# KiCad board Dumpling_Main.kicad_pcb
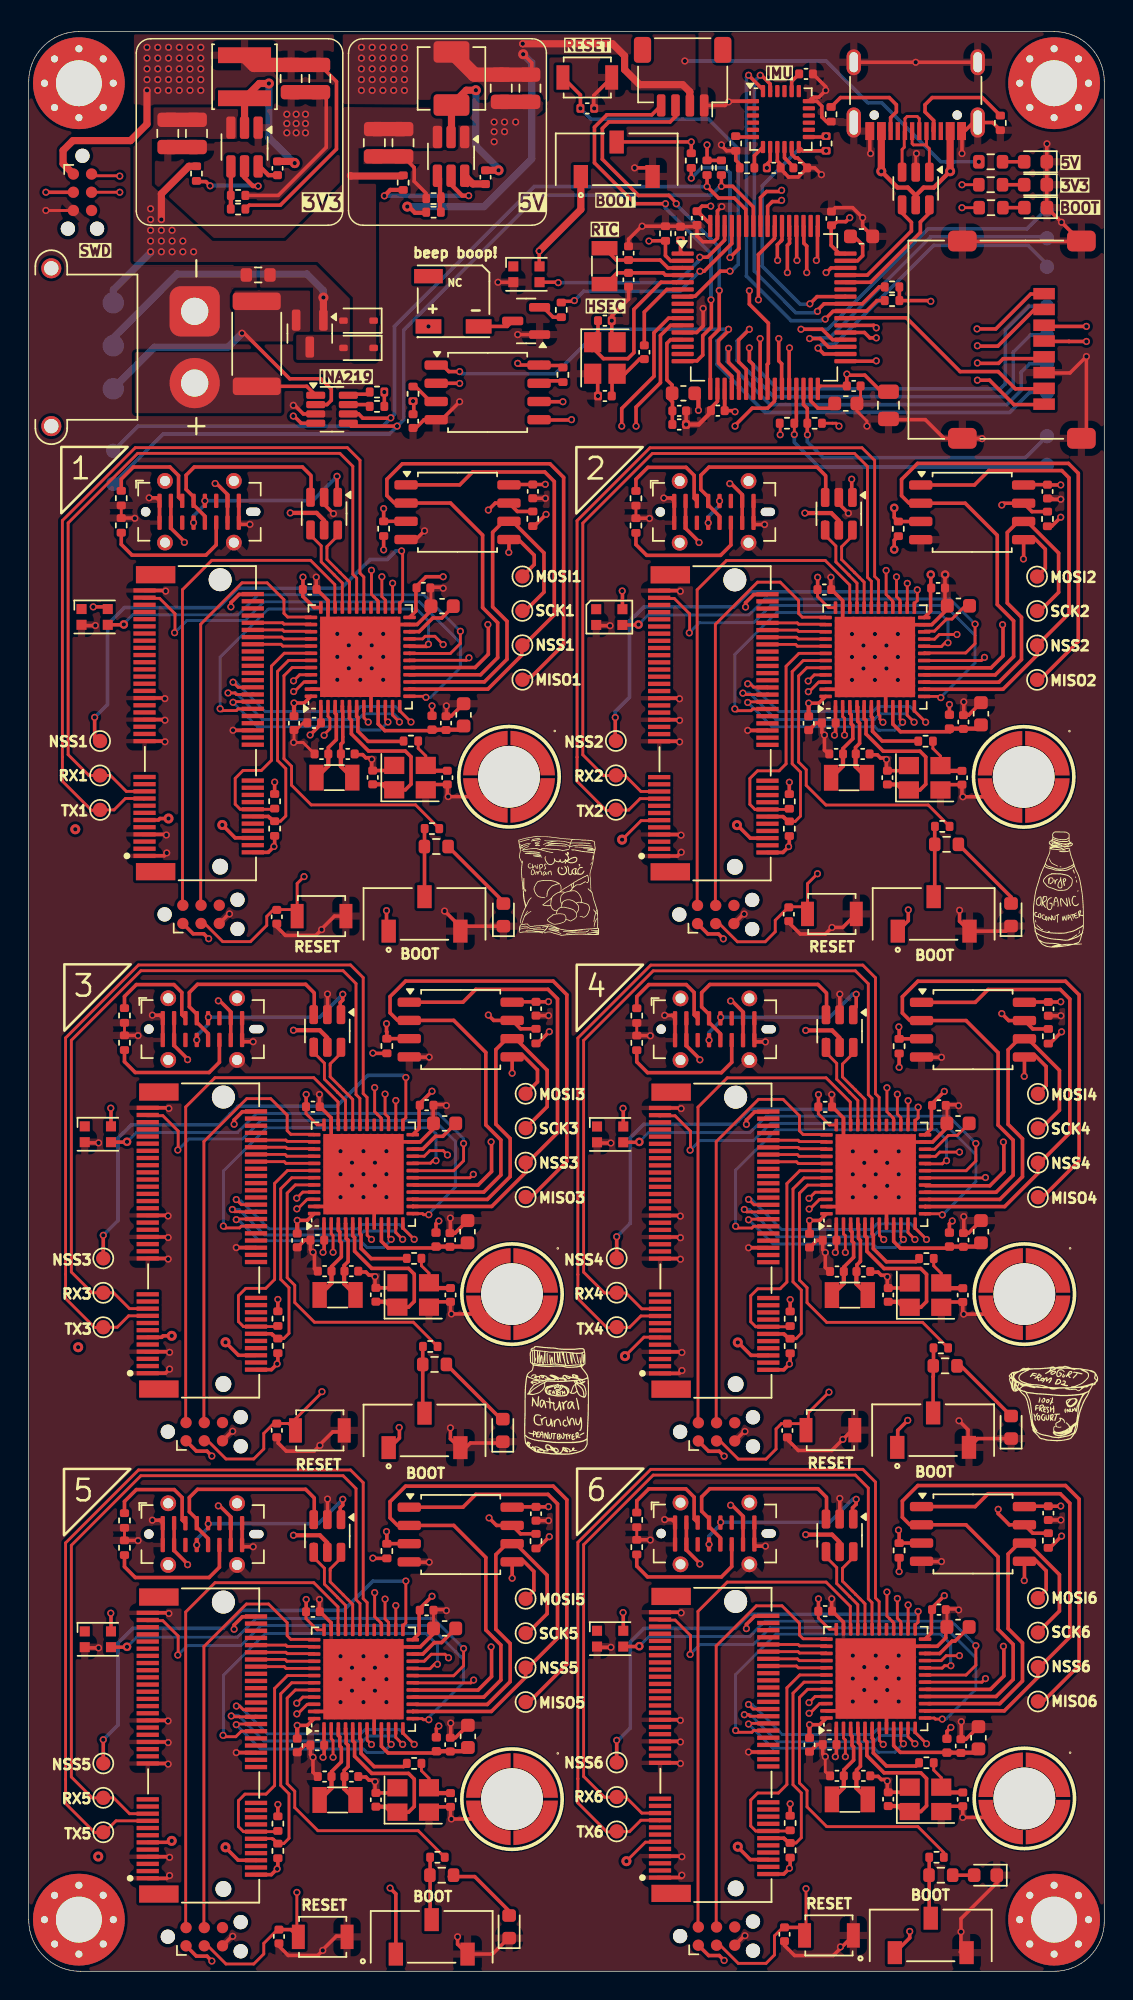
[diagram p0: board, top side]
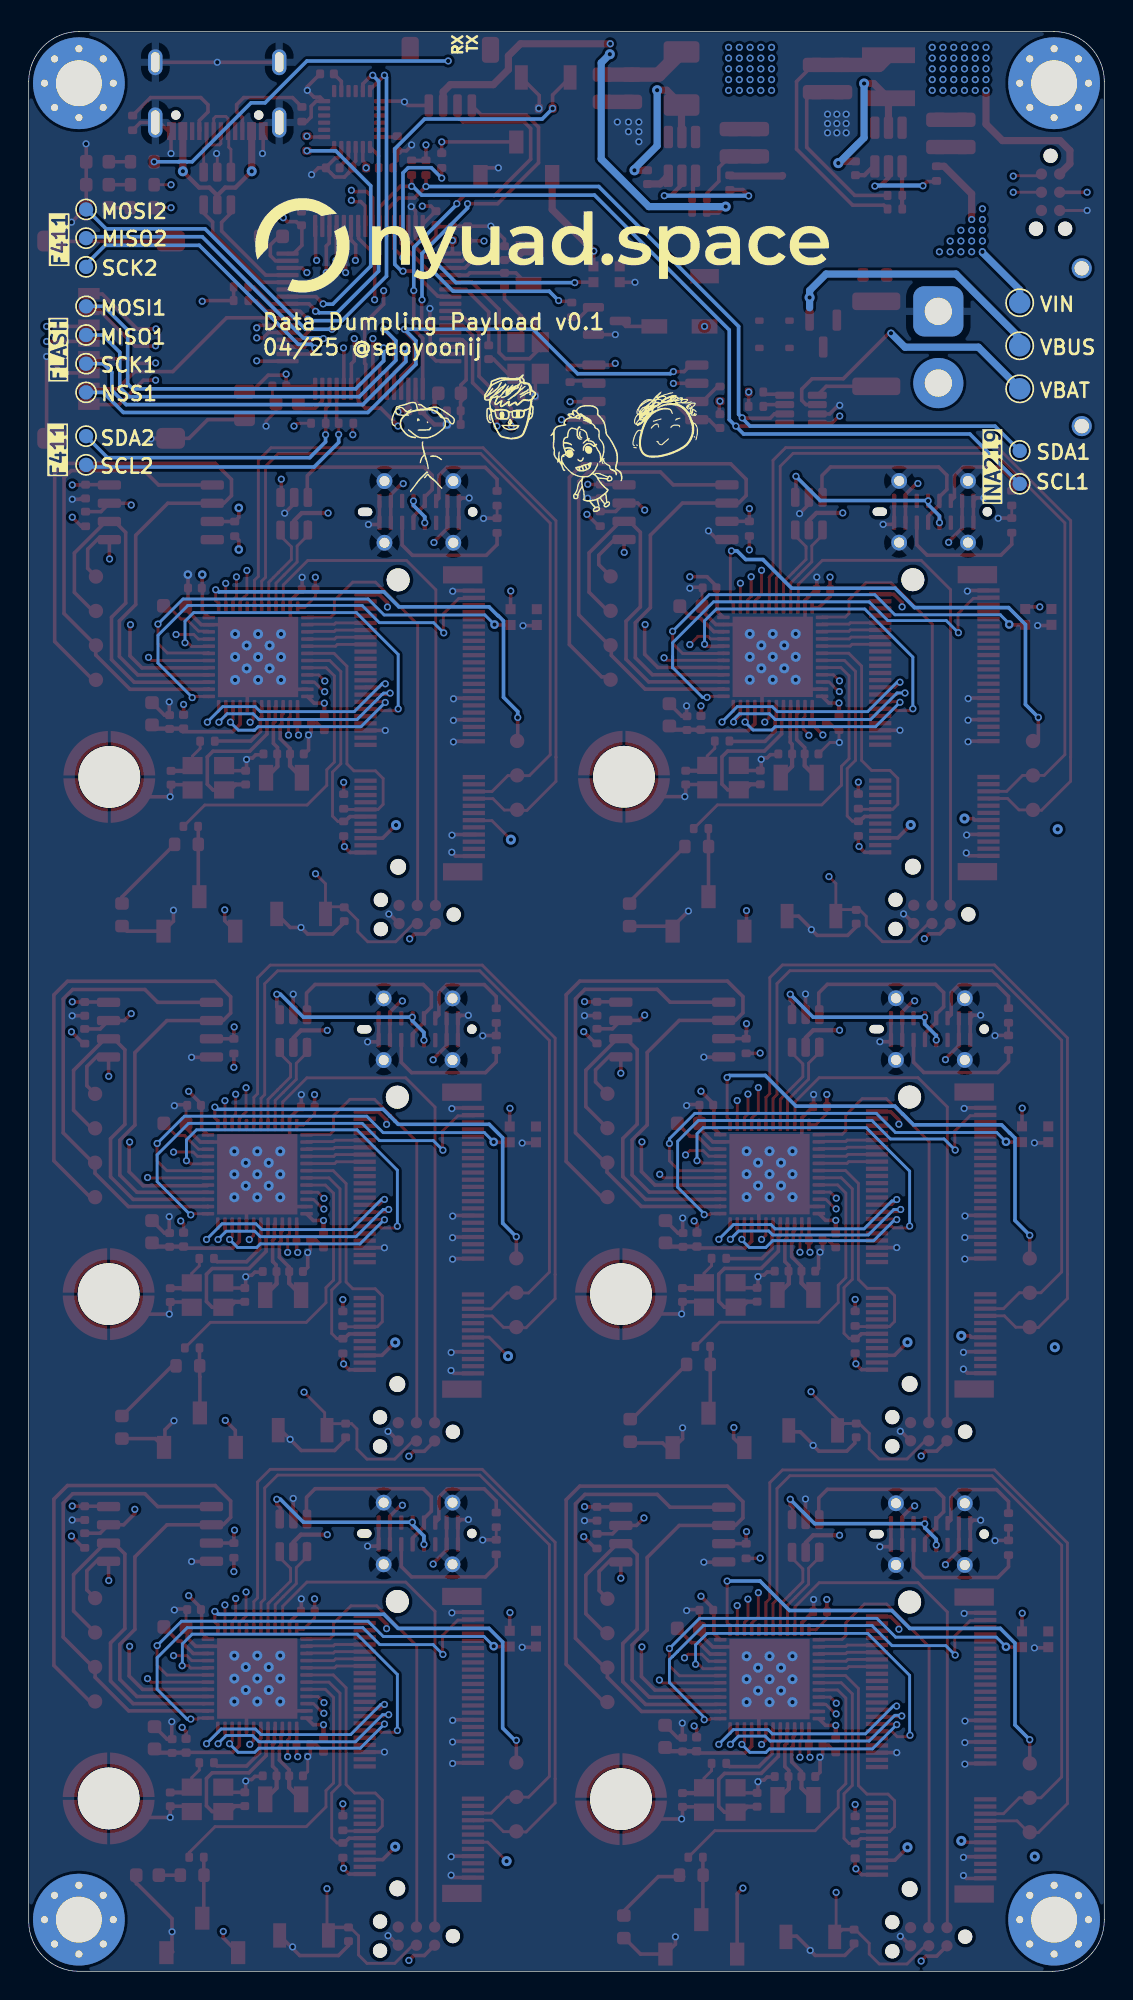
[diagram p1: board, bottom side, seen from below]

Outline 75 x 135.2 mm; copper layers: Top, In1.Cu, In2.Cu, In3.Cu, In4.Cu, Bottom. Coordinates in mm from the lower left corner of the outline.
Outline path: 0,131.7 arc(1.03,134.17) 3.5,135.2 71.5,135.2 arc(73.97,134.17) 75,131.7 75,3.5 arc(73.97,1.03) 71.5,0 3.6,0 arc(1.05,1.05) 0,3.6 0,131.7
Stack: Top 0.035mm / dielectric 0.1mm FR4 er 4.5 / In1.Cu 0.035mm / dielectric 0.535mm FR4 er 4.5 / In2.Cu 0.035mm / dielectric 0.1mm FR4 er 4.5 / In3.Cu 0.035mm / dielectric 0.535mm FR4 er 4.5 / In4.Cu 0.035mm / dielectric 0.1mm FR4 er 4.5 / Bottom 0.035mm

## Placement (name value [footprint] x y rotation side)
BZ1  Buzzer  [BUZ-SMD_FST-5030]  29.62 116.4 0 top
C1  100n  [C_0402_1005Metric]  38.95 129.84 0 top
C2  10u  [C_0805_2012Metric]  59.95 109.15 270 top
C3  15p  [C_0402_1005Metric]  41.82 119.75 90 top
C4  15p  [C_0402_1005Metric]  41.82 117.9 270 top
C5  100n  [C_0402_1005Metric]  45.36 108.76 0 top
C6  1u  [C_0402_1005Metric]  45.36 107.81 0 top
C7  100n  [C_0402_1005Metric]  57.53 110.5 0 top
C8  100n  [C_0402_1005Metric]  45.45 121.12 90 top
C9  100n  [C_0402_1005Metric]  46.6 122.2 270 top
C10  100n  [C_0402_1005Metric]  55.97 122.17 90 top
C11  10p  [C_0402_1005Metric]  40.18 115.05 0 top
C12  10p  [C_0402_1005Metric]  40.18 109.8 180 top
C13  100n  [C_0402_1005Metric]  18.5 87 270 top
C14  100n  [C_0402_1005Metric]  17.3 73.5 270 top
C15  2.2u  [C_0603_1608Metric]  64.82 95.17 180 top
C16  10p  [C_0402_1005Metric]  59.87 83.2 90 top
C17  15p  [C_0402_1005Metric]  56.3 84.85 180 top
C18  15p  [C_0402_1005Metric]  58.15 84.85 0 top
C19  100n  [C_0402_1005Metric]  19.9 87.02 180 top
C20  100n  [C_0402_1005Metric]  19.59 96.32 0 top
C21  1u  [C_0603_1608Metric]  30.33 87.57 90 top
C22  100n  [C_0402_1005Metric]  27.53 96.42 0 top
C23  15p  [C_0402_1005Metric]  20.41 84.85 180 top
C24  100n  [C_0402_1005Metric]  29.1 87 90 top
C25  15p  [C_0402_1005Metric]  22.25 84.85 0 top
C26  2.2u  [C_0603_1608Metric]  28.83 95.15 180 top
C27  10p  [C_0402_1005Metric]  23.99 83.21 90 top
C28  100n  [C_0402_1005Metric]  26.8 108.05 270 top
C29  100n  [C_0402_1005Metric]  35.15 103.15 270 top
C30  10p  [C_0402_1005Metric]  29.19 83.2 270 top
C31  10u  [C_0805_2012Metric]  9.7 128.1 270 top
C32  10u  [C_0805_2012Metric]  11.7 128.1 270 top
C33  100n  [C_0402_1005Metric]  17.35 125.67 90 top
C34  22u  [C_0805_2012Metric]  18.3 131.93 270 top
C35  2.2u  [C_0603_1608Metric]  56.97 109.27 0 top
C36  2.2u  [C_0603_1608Metric]  58.07 120.92 0 top
C37  100n  [C_0402_1005Metric]  48.05 108.77 180 top
C38  22u  [C_0805_2012Metric]  20.3 131.93 270 top
C39  10u  [C_0805_2012Metric]  26.1 127.45 270 top
C40  10u  [C_0805_2012Metric]  24.1 127.45 270 top
C41  100n  [C_0402_1005Metric]  31.85 125.05 90 top
C42  22u  [C_0805_2012Metric]  32.95 131.25 270 top
C43  22u  [C_0805_2012Metric]  34.95 131.25 270 top
C44  10p  [C_0402_1005Metric]  65.07 83.19 270 top
C45  100n  [C_0402_1005Metric]  55.48 96.31 0 top
C46  100n  [C_0402_1005Metric]  63.41 96.41 0 top
C47  100n  [C_0402_1005Metric]  53 73.68 270 top
C48  100n  [C_0402_1005Metric]  55.79 87.01 180 top
C49  100n  [C_0402_1005Metric]  54.39 86.99 270 top
C50  1u  [C_0603_1608Metric]  66.4 87.65 90 top
C51  100n  [C_0402_1005Metric]  65.18 87.07 90 top
C52  100n  [C_0402_1005Metric]  71.04 103.14 270 top
C53  2.2u  [C_0603_1608Metric]  29 59.1 180 top
C54  10p  [C_0402_1005Metric]  24.21 47.15 90 top
C55  15p  [C_0402_1005Metric]  20.64 48.8 180 top
C56  15p  [C_0402_1005Metric]  22.5 48.8 0 top
C57  10p  [C_0402_1005Metric]  29.41 47.14 270 top
C58  100n  [C_0402_1005Metric]  20.13 50.96 180 top
C59  100n  [C_0402_1005Metric]  18.72 50.94 270 top
C60  100n  [C_0402_1005Metric]  17.3 37.7 270 top
C61  100n  [C_0402_1005Metric]  19.82 60.26 0 top
C62  100n  [C_0402_1005Metric]  35.37 67.09 270 top
C63  1u  [C_0603_1608Metric]  30.6 51.55 90 top
C64  100n  [C_0402_1005Metric]  29.38 50.97 90 top
C65  100n  [C_0402_1005Metric]  27.75 60.37 0 top
C66  2.2u  [C_0603_1608Metric]  64.8 59.1 180 top
C67  10p  [C_0402_1005Metric]  59.93 47.14 90 top
C68  15p  [C_0402_1005Metric]  56.36 48.78 180 top
C69  15p  [C_0402_1005Metric]  58.2 48.78 0 top
C70  10p  [C_0402_1005Metric]  65.13 47.13 270 top
C71  100n  [C_0402_1005Metric]  63.47 60.36 0 top
C72  100n  [C_0402_1005Metric]  55.54 60.25 0 top
C73  100n  [C_0402_1005Metric]  52.9 37.69 270 top
C74  100n  [C_0402_1005Metric]  55.85 50.95 180 top
C75  100n  [C_0402_1005Metric]  71.09 67.08 270 top
C76  1u  [C_0603_1608Metric]  66.4 51.55 90 top
C77  100n  [C_0402_1005Metric]  65.18 50.97 90 top
C78  100n  [C_0402_1005Metric]  54.44 50.93 270 top
C79  2.2u  [C_0603_1608Metric]  29 23.9 180 top
C80  10p  [C_0402_1005Metric]  24.21 11.95 90 top
C81  15p  [C_0402_1005Metric]  20.64 13.57 180 top
C82  15p  [C_0402_1005Metric]  22.5 13.57 0 top
C83  10p  [C_0402_1005Metric]  29.41 11.94 270 top
C84  100n  [C_0402_1005Metric]  20.13 15.76 180 top
C85  100n  [C_0402_1005Metric]  19.82 25.06 0 top
C86  100n  [C_0402_1005Metric]  17.45 2.43 270 top
C87  100n  [C_0402_1005Metric]  18.72 15.74 270 top
C88  100n  [C_0402_1005Metric]  27.75 25.17 0 top
C89  1u  [C_0603_1608Metric]  30.62 16.38 90 top
C90  100n  [C_0402_1005Metric]  29.4 15.8 90 top
C91  100n  [C_0402_1005Metric]  35.37 31.89 270 top
C92  2.2u  [C_0603_1608Metric]  64.8 24 180 top
C93  10p  [C_0402_1005Metric]  59.93 12 90 top
C94  15p  [C_0402_1005Metric]  56.36 13.62 180 top
C95  15p  [C_0402_1005Metric]  58.2 13.62 0 top
C96  10p  [C_0402_1005Metric]  65.13 11.99 270 top
C97  100n  [C_0402_1005Metric]  71.09 31.94 270 top
C98  100n  [C_0402_1005Metric]  63.47 25.21 0 top
C99  100n  [C_0402_1005Metric]  52.7 2.58 270 top
C100  100n  [C_0402_1005Metric]  54.44 15.79 270 top
C101  100n  [C_0402_1005Metric]  55.85 15.8 180 top
C102  1u  [C_0603_1608Metric]  66.22 16.28 90 top
C103  100n  [C_0402_1005Metric]  65 15.7 90 top
C104  100n  [C_0402_1005Metric]  55.54 25.1 0 top
C105  10n  [C_0402_1005Metric]  51.95 125.7 180 top
C106  0.22u  [C_0402_1005Metric]  53.8 125.7 0 top
C107  0.22u  [C_0402_1005Metric]  54.2 132.25 0 top
D1  LED  [LED_0603_1608Metric]  70.21 122.92 180 top
D2  LED  [LED_0603_1608Metric]  70.2 124.52 180 top
D3  D_Schottky  [D_SOD-323]  23 113.15 180 top
D4  LED  [LED_0603_1608Metric]  33.1 73.63 90 top
D5  D_Schottky  [D_SOD-323]  23 115.05 180 top
D6  LED  [LED_0603_1608Metric]  70.2 126.12 180 top
D7  WS2812B-2020  [LED_WS2812B-2020_PLCC4_2.0x2.0mm]  34.71 118.28 0 top
D8  WS2812B-2020  [LED_WS2812B-2020_PLCC4_2.0x2.0mm]  4.6 94.4 0 top
D9  LED  [LED_0603_1608Metric]  68.49 73.64 90 top
D10  WS2812B-2020  [LED_WS2812B-2020_PLCC4_2.0x2.0mm]  40.49 94.39 0 top
D11  LED  [LED_0603_1608Metric]  33.06 37.7 90 top
D12  WS2812B-2020  [LED_WS2812B-2020_PLCC4_2.0x2.0mm]  4.82 58.34 0 top
D13  LED  [LED_0603_1608Metric]  68.5 37.92 90 top
D14  WS2812B-2020  [LED_WS2812B-2020_PLCC4_2.0x2.0mm]  40.54 58.33 0 top
D15  LED  [LED_0603_1608Metric]  33.5 3.1 90 top
D16  WS2812B-2020  [LED_WS2812B-2020_PLCC4_2.0x2.0mm]  4.82 23.14 0 top
D17  LED  [LED_0603_1608Metric]  66.71 6.7 180 top
D18  WS2812B-2020  [LED_WS2812B-2020_PLCC4_2.0x2.0mm]  40.54 23.19 0 top
FB1  600  [L_0603_1608Metric]  45.65 109.99 180 top
FB2  600  [L_0402_1005Metric]  64.2 87.1 270 top
FB3  600  [L_0402_1005Metric]  28.12 87.02 270 top
FB4  600  [L_0402_1005Metric]  28.4 51 270 top
FB5  600  [L_0402_1005Metric]  64.2 51 270 top
FB6  600  [L_0402_1005Metric]  28.42 15.82 270 top
FB7  600  [L_0402_1005Metric]  64.03 15.72 270 top
G***  -  [LOGO]  111.7 108.6 0 top
G***#2  -  [LOGO]  71.5 39.6 0 top
G***#3  -  [LOGO]  71.9 75.3 0 top
G***#4  -  [LOGO]  36.8 39.7 0 top
G***#5  -  [LOGO]  36.9 75.6 0 top
G***#6  -  [LOGO]  39.2 120.3 180 bottom
G***#7  -  [LOGO]  38.88 106.42 180 bottom
H1  MountingHole  [MountingHole_3.2mm_M3_Pad_Via]  3.5 131.6 0 top
H2  MountingHole  [MountingHole_3.2mm_M3_Pad_Via]  71.5 3.6 0 top
H3  MountingHole  [MountingHole_3.2mm_M3_Pad_Via]  3.5 3.6 0 top
H4  MountingHole  [MountingHole_3.2mm_M3_Pad_Via]  71.5 131.6 0 top
HSE1  25MHz  [Crystal_SMD_Abracon_ABM8G-4Pin_3.2x2.5mm]  40.18 112.45 270 top
HSE2  25MHz  [Crystal_SMD_Abracon_ABM8G-4Pin_3.2x2.5mm]  62.47 83.19 0 top
HSE3  25MHz  [Crystal_SMD_Abracon_ABM8G-4Pin_3.2x2.5mm]  26.59 83.2 0 top
HSE4  25MHz  [Crystal_SMD_Abracon_ABM8G-4Pin_3.2x2.5mm]  26.81 47.14 0 top
HSE5  25MHz  [Crystal_SMD_Abracon_ABM8G-4Pin_3.2x2.5mm]  62.53 47.13 0 top
HSE6  25MHz  [Crystal_SMD_Abracon_ABM8G-4Pin_3.2x2.5mm]  26.81 11.94 0 top
HSE7  25MHz  [Crystal_SMD_Abracon_ABM8G-4Pin_3.2x2.5mm]  62.53 11.99 0 top
J1  Conn_ARM_SWD_TagConnect_TC2030-NL  [Tag-Connect_TC2030-IDC-NL_2x03_P1.27mm_Vertical]  3.75 124 270 top
J2  Micro_SD_Card  [microSD_HC_Molex_47219-2001]  68.7 113.72 270 top
J3  USB_C_Receptacle_USB2.0_16P  [USB_C_Receptacle_G-Switch_GT-USB-7010ASV]  61.85 131.98 180 top
J4  XT30PW-M  [AMASS_XT30PW-M_1x02_P2.50mm_Horizontal]  11.58 115.7 90 top
J5  SM04B-SRSS-TB  [JST_SH_SM04B-SRSS-TB_1x04-1MP_P1.00mm_Horizontal]  45.6 132.05 180 top
J6  Conn_ARM_SWD_TagConnect_TC2030-NL  [Tag-Connect_TC2030-IDC-NL_2x03_P1.27mm_Vertical]  47.91 73.66 0 top
J7  MICROMOD-2222-C  [TE_2199119-4]  13.35 86.99 90 top
J8  USB_C_Receptacle_USB2.0_16P  [USB_C_Receptacle_G-Switch_GT-USB-7051x]  11.91 101.73 0 top
J9  Conn_ARM_SWD_TagConnect_TC2030-NL  [Tag-Connect_TC2030-IDC-NL_2x03_P1.27mm_Vertical]  12.02 73.67 0 top
J10  MICROMOD-2222-C  [TE_2199119-4]  49.24 86.98 90 top
J11  USB_C_Receptacle_USB2.0_16P  [USB_C_Receptacle_G-Switch_GT-USB-7051x]  12.13 65.67 0 top
J12  Conn_ARM_SWD_TagConnect_TC2030-NL  [Tag-Connect_TC2030-IDC-NL_2x03_P1.27mm_Vertical]  12.24 37.61 0 top
J13  MICROMOD-2222-C  [TE_2199119-4]  13.58 50.94 90 top
J14  USB_C_Receptacle_USB2.0_16P  [USB_C_Receptacle_G-Switch_GT-USB-7051x]  47.85 65.66 0 top
J15  Conn_ARM_SWD_TagConnect_TC2030-NL  [Tag-Connect_TC2030-IDC-NL_2x03_P1.27mm_Vertical]  47.96 37.6 0 top
J16  MICROMOD-2222-C  [TE_2199119-4]  49.3 50.93 90 top
J17  USB_C_Receptacle_USB2.0_16P  [USB_C_Receptacle_G-Switch_GT-USB-7051x]  12.13 30.47 0 top
J18  Conn_ARM_SWD_TagConnect_TC2030-NL  [Tag-Connect_TC2030-IDC-NL_2x03_P1.27mm_Vertical]  12.24 2.41 0 top
J19  MICROMOD-2222-C  [TE_2199119-4]  13.58 15.74 90 top
J20  USB_C_Receptacle_USB2.0_16P  [USB_C_Receptacle_G-Switch_GT-USB-7051x]  47.85 30.52 0 top
J21  Conn_ARM_SWD_TagConnect_TC2030-NL  [Tag-Connect_TC2030-IDC-NL_2x03_P1.27mm_Vertical]  47.96 2.45 0 top
J22  MICROMOD-2222-C  [TE_2199119-4]  49.3 15.78 90 top
J23  USB_C_Receptacle_USB2.0_16P  [USB_C_Receptacle_G-Switch_GT-USB-7051x]  47.79 101.72 0 top
L2  3.3u  [L_Changjiang_FNR4030S]  15.05 132.05 90 top
L3  4.7u  [L_Changjiang_FXL0420]  29.48 131.93 90 top
Q1  AO3401A  [SOT-23]  19.6 114.15 270 top
Q2  S8050  [SOT-23]  34.69 115.03 180 top
R1  620  [C_0402_1005Metric]  42.93 112.85 270 top
R2  10k  [R_0402_1005Metric]  46.2 126.21 90 top
R3  2.2k  [R_0603_1608Metric]  67.1 122.92 0 top
R4  10k  [R_0402_1005Metric]  24.29 110.07 180 top
R5  10k  [R_0402_1005Metric]  24.29 109.07 180 top
R6  5.1k  [R_0402_1005Metric]  67.75 128.83 90 top
R7  5.1k  [R_0402_1005Metric]  55.95 129.44 90 top
R8  100k  [R_0603_1608Metric]  16 118.24 180 top
R9  1k  [R_0402_1005Metric]  37.13 115.8 270 top
R10  10k  [R_0402_1005Metric]  28.12 79.65 180 top
R11  2.2k  [R_0603_1608Metric]  28.42 78.4 0 top
R12  10k  [R_0402_1005Metric]  24.75 100.55 90 top
R13  620  [R_0402_1005Metric]  26.65 85.75 0 top
R14  10k  [R_0402_1005Metric]  35.15 101.24 90 top
R15  10k  [R_0402_1005Metric]  11.7 125.3 90 top
R16  33.2k  [R_0402_1005Metric]  14.6 122.83 180 top
R17  10k  [R_0402_1005Metric]  14.6 123.78 180 top
R18  5.1k  [R_0402_1005Metric]  6.46 102.68 90 top
R19  5.1k  [R_0402_1005Metric]  6.46 100.78 270 top
R20  2.2k  [R_0603_1608Metric]  67.07 124.52 180 top
R21  10k  [R_0402_1005Metric]  26.11 124.67 90 top
R22  4.7k  [R_0402_1005Metric]  47.3 125.71 270 top
R23  4.7k  [R_0402_1005Metric]  48.3 125.71 270 top
R24  4.7k  [R_0402_1005Metric]  54.8 107.9 180 top
R25  4.7k  [R_0402_1005Metric]  52.88 107.9 0 top
R26  620  [R_0402_1005Metric]  62.54 85.74 0 top
R27  54.9k  [R_0402_1005Metric]  28.23 122.61 0 top
R28  0.01  [R_2512_6332Metric]  15.9 113.44 270 top
R29  4.7k  [R_0402_1005Metric]  17.15 79.65 90 top
R30  4.7k  [R_0402_1005Metric]  17.15 81.55 270 top
R31  10k  [R_0402_1005Metric]  28.23 123.56 0 top
R32  10k  [R_0402_1005Metric]  44.4 121.12 90 top
R33  10k  [R_0402_1005Metric]  26.8 109.95 90 top
R34  10k  [R_0402_1005Metric]  37.25 111.27 270 top
R35  10k  [R_0402_1005Metric]  63.7 79.8 180 top
R36  2.2k  [R_0603_1608Metric]  64 78.55 0 top
R37  2.2k  [R_0603_1608Metric]  67.07 126.12 180 top
R38  5.1k  [R_0402_1005Metric]  42.34 102.67 90 top
R39  5.1k  [R_0402_1005Metric]  42.34 100.77 270 top
R40  10k  [R_0402_1005Metric]  60.64 100.54 90 top
R41  10k  [R_0402_1005Metric]  71.04 101.23 90 top
R42  4.7k  [R_0402_1005Metric]  53.04 79.64 90 top
R43  4.7k  [R_0402_1005Metric]  53.04 81.54 270 top
R44  620  [R_0402_1005Metric]  26.87 49.69 0 top
R45  10k  [R_0402_1005Metric]  28 43.55 180 top
R46  2.2k  [R_0603_1608Metric]  28.3 42.3 0 top
R47  5.1k  [R_0402_1005Metric]  6.68 66.62 90 top
R48  5.1k  [R_0402_1005Metric]  6.68 64.72 270 top
R49  10k  [R_0402_1005Metric]  24.97 64.49 90 top
R50  10k  [R_0402_1005Metric]  35.37 65.18 90 top
R51  4.7k  [R_0402_1005Metric]  17.37 43.59 90 top
R52  4.7k  [R_0402_1005Metric]  17.37 45.49 270 top
R53  620  [R_0402_1005Metric]  62.59 49.68 0 top
R54  10k  [R_0402_1005Metric]  63.6 43.45 180 top
R55  2.2k  [R_0603_1608Metric]  63.9 42.2 0 top
R56  5.1k  [R_0402_1005Metric]  42.4 66.61 90 top
R57  5.1k  [R_0402_1005Metric]  42.4 64.71 270 top
R58  10k  [R_0402_1005Metric]  60.69 64.48 90 top
R59  10k  [R_0402_1005Metric]  71.09 65.17 90 top
R60  4.7k  [R_0402_1005Metric]  53.09 43.58 90 top
R61  4.7k  [R_0402_1005Metric]  53.09 45.48 270 top
R62  620  [R_0402_1005Metric]  26.87 14.49 0 top
R63  10k  [R_0402_1005Metric]  28.5 7.95 180 top
R64  2.2k  [R_0603_1608Metric]  28.8 6.7 0 top
R65  5.1k  [R_0402_1005Metric]  6.68 31.42 90 top
R66  5.1k  [R_0402_1005Metric]  6.68 29.52 270 top
R67  10k  [R_0402_1005Metric]  24.97 29.29 90 top
R68  10k  [R_0402_1005Metric]  35.37 29.98 90 top
R69  4.7k  [R_0402_1005Metric]  17.37 8.39 90 top
R70  4.7k  [R_0402_1005Metric]  17.37 10.29 270 top
R71  620  [R_0402_1005Metric]  62.59 14.54 0 top
R72  10k  [R_0402_1005Metric]  63.3 7.95 180 top
R73  2.2k  [R_0603_1608Metric]  63.6 6.7 0 top
R74  5.1k  [R_0402_1005Metric]  42.4 31.47 90 top
R75  5.1k  [R_0402_1005Metric]  42.4 29.57 270 top
R76  10k  [R_0402_1005Metric]  60.69 29.34 90 top
R77  10k  [R_0402_1005Metric]  71.09 30.03 90 top
R78  4.7k  [R_0402_1005Metric]  53.09 8.44 90 top
R79  4.7k  [R_0402_1005Metric]  53.09 10.34 270 top
R80  4.7k  [R_0402_1005Metric]  60.2 116.45 180 top
R81  4.7k  [R_0402_1005Metric]  60.2 117.4 180 top
R82  5.1k  [R_0402_1005Metric]  49.3 127.4 90 top
R83  5.1k  [R_0402_1005Metric]  50.09 125.7 0 top
R84  10k  [R_0402_1005Metric]  55.6 127.4 90 top
SW1  SW_SPDT  [SW_JS102011JCQN]  41 126.3 0 top
SW2  SW_SPST  [SW_SPST_B3U-1000P]  38.95 132 0 top
SW3  SW_SPST  [SW_SPST_B3U-1000P]  20.42 73.55 0 top
SW4  SW_SPDT  [SW_JS102011JCQN]  27.6 73.7 0 top
SW5  SW_SPST  [SW_SPST_B3U-1000P]  56.01 73.7 0 top
SW6  SW_SPDT  [SW_JS102011JCQN]  63.1 73.7 0 top
SW7  SW_SPST  [SW_SPST_B3U-1000P]  20.3 37.7 0 top
SW8  SW_SPDT  [SW_JS102011JCQN]  27.6 37.7 0 top
SW9  SW_SPST  [SW_SPST_B3U-1000P]  55.9 37.72 0 top
SW10  SW_SPDT  [SW_JS102011JCQN]  63.06 37.72 0 top
SW11  SW_SPST  [SW_SPST_B3U-1000P]  20.5 2.4 0 top
SW12  SW_SPDT  [SW_JS102011JCQN]  28.1 2.4 0 top
SW13  SW_SPST  [SW_SPST_B3U-1000P]  55.8 2.5 0 top
SW14  SW_SPDT  [SW_JS102011JCQN]  62.9 2.5 0 top
TP1  I2C1  [TestPoint_Pad_D1.0mm]  5.9 105.97 0 bottom
TP2  I2C1  [TestPoint_Pad_D1.0mm]  5.9 103.67 0 bottom
TP3  I2C2  [TestPoint_Pad_D1.0mm]  71 107 0 bottom
TP4  I2C2  [TestPoint_Pad_D1.0mm]  71 105 0 bottom
TP5  SPI1  [TestPoint_Pad_D1.0mm]  71 116.05 180 bottom
TP6  SPI1  [TestPoint_Pad_D1.0mm]  71 114.05 180 bottom
TP7  SPI1  [TestPoint_Pad_D1.0mm]  71 112.05 180 bottom
TP8  SPI1  [TestPoint_Pad_D1.0mm]  71 110.05 180 bottom
TP9  SPI2  [TestPoint_Pad_D1.0mm]  71 122.8 0 bottom
TP10  SPI2  [TestPoint_Pad_D1.0mm]  71 120.8 0 bottom
TP11  SPI2  [TestPoint_Pad_D1.0mm]  71 118.8 0 bottom
TP12  CS1  [TestPoint_Pad_D1.0mm]  4.98 85.75 0 top
TP13  CS3  [TestPoint_Pad_D1.0mm]  5.2 49.69 0 top
TP14  flsh3  [TestPoint_Pad_D1.0mm]  34.65 61.17 0 top
TP15  flsh3  [TestPoint_Pad_D1.0mm]  34.65 53.97 0 top
TP16  flsh3  [TestPoint_Pad_D1.0mm]  34.65 58.77 0 top
TP17  flsh3  [TestPoint_Pad_D1.0mm]  34.65 56.37 0 top
TP18  RF3  [TestPoint_Pad_D1.0mm]  5.2 47.29 0 top
TP19  flsh1  [TestPoint_Pad_D1.0mm]  34.42 97.22 0 top
TP20  CS2  [TestPoint_Pad_D1.0mm]  40.94 85.76 0 top
TP21  RF3  [TestPoint_Pad_D1.0mm]  5.2 44.89 0 top
TP22  CS4  [TestPoint_Pad_D1.0mm]  41 49.7 0 top
TP23  flsh4  [TestPoint_Pad_D1.0mm]  70.37 61.16 0 top
TP24  flsh1  [TestPoint_Pad_D1.0mm]  34.42 90.02 0 top
TP25  flsh2  [TestPoint_Pad_D1.0mm]  70.31 97.21 0 top
TP26  flsh4  [TestPoint_Pad_D1.0mm]  70.37 53.96 0 top
TP27  flsh4  [TestPoint_Pad_D1.0mm]  70.37 58.76 0 top
TP28  flsh1  [TestPoint_Pad_D1.0mm]  34.42 94.82 0 top
TP29  flsh2  [TestPoint_Pad_D1.0mm]  70.31 90.01 0 top
TP30  RF1  [TestPoint_Pad_D1.0mm]  4.98 83.35 0 top
TP31  RF1  [TestPoint_Pad_D1.0mm]  4.98 80.95 0 top
TP32  flsh1  [TestPoint_Pad_D1.0mm]  34.42 92.42 0 top
TP33  flsh2  [TestPoint_Pad_D1.0mm]  70.31 94.81 0 top
TP34  flsh4  [TestPoint_Pad_D1.0mm]  70.37 56.36 0 top
TP35  flsh2  [TestPoint_Pad_D1.0mm]  70.31 92.41 0 top
TP36  RF2  [TestPoint_Pad_D1.0mm]  40.94 83.36 0 top
TP37  RF4  [TestPoint_Pad_D1.0mm]  41 47.3 0 top
TP38  RF4  [TestPoint_Pad_D1.0mm]  41 44.9 0 top
TP39  CS5  [TestPoint_Pad_D1.0mm]  5.2 14.49 0 top
TP40  flsh5  [TestPoint_Pad_D1.0mm]  34.65 25.97 0 top
TP41  flsh5  [TestPoint_Pad_D1.0mm]  34.65 18.77 0 top
TP42  flsh5  [TestPoint_Pad_D1.0mm]  34.65 23.57 0 top
TP43  flsh5  [TestPoint_Pad_D1.0mm]  34.65 21.17 0 top
TP44  RF5  [TestPoint_Pad_D1.0mm]  5.2 12.09 0 top
TP45  RF5  [TestPoint_Pad_D1.0mm]  5.2 9.69 0 top
TP46  CS6  [TestPoint_Pad_D1.0mm]  41 14.55 0 top
TP47  flsh6  [TestPoint_Pad_D1.0mm]  70.37 26.01 0 top
TP48  flsh6  [TestPoint_Pad_D1.0mm]  70.37 18.81 0 top
TP49  flsh6  [TestPoint_Pad_D1.0mm]  70.37 23.61 0 top
TP50  flsh6  [TestPoint_Pad_D1.0mm]  70.37 21.21 0 top
TP51  RF6  [TestPoint_Pad_D1.0mm]  41 12.15 0 top
TP52  RF6  [TestPoint_Pad_D1.0mm]  41 9.75 0 top
TP90  RF2  [TestPoint_Pad_D1.0mm]  40.94 80.96 0 top
U1  STM32F405RGTx  [LQFP-64_10x10mm_P0.5mm]  51.28 115.97 0 top
U2  USBLC6-2SC6  [SOT-23-6]  61.85 124.26 270 top
U3  W25Q128JVS  [SOIC-8_5.3x5.3mm_P1.27mm]  29.9 101.7 0 top
U4  STM32F411CEUx  [QFN-48-1EP_7x7mm_P0.5mm_EP5.6x5.6mm]  23.12 91.62 90 top
U5  STM32F411CEUx  [QFN-48-1EP_7x7mm_P0.5mm_EP5.6x5.6mm]  59.01 91.61 90 top
U6  USBLC6-2SC6  [SOT-23-6]  20.6 101.6 270 top
U7  MPU-6050  [InvenSense_QFN-24_4x4mm_P0.5mm]  52.45 129.1 0 top
U8  W25Q128JVS  [SOIC-8_5.3x5.3mm_P1.27mm]  65.79 101.69 0 top
U9  INA219AxDCN  [SOT-23-8]  21.15 108.88 0 top
U10  W25Q128JVS  [SOIC-8_5.3x5.3mm_P1.27mm]  30.12 65.64 0 top
U11  USBLC6-2SC6  [SOT-23-6]  56.49 101.59 270 top
U12  W25Q128JVS  [SOIC-8_5.3x5.3mm_P1.27mm]  65.84 65.63 0 top
U13  STM32F411CEUx  [QFN-48-1EP_7x7mm_P0.5mm_EP5.6x5.6mm]  23.34 55.56 90 top
U14  USBLC6-2SC6  [SOT-23-6]  20.82 65.54 270 top
U15  W25Q128JVS  [SOIC-8_5.3x5.3mm_P1.27mm]  30.12 30.44 0 top
U16  STM32F411CEUx  [QFN-48-1EP_7x7mm_P0.5mm_EP5.6x5.6mm]  59.06 55.55 90 top
U17  USBLC6-2SC6  [SOT-23-6]  56.54 65.53 270 top
U18  W25Q128JVS  [SOIC-8_5.3x5.3mm_P1.27mm]  65.84 30.49 0 top
U19  STM32F411CEUx  [QFN-48-1EP_7x7mm_P0.5mm_EP5.6x5.6mm]  23.34 20.36 90 top
U20  USBLC6-2SC6  [SOT-23-6]  20.82 30.34 270 top
U21  SMTSOM2_525STR  [SMD_BD5.6-D4.1]  69.43 47.2 0 top
U22  STM32F411CEUx  [QFN-48-1EP_7x7mm_P0.5mm_EP5.6x5.6mm]  59.06 20.4 90 top
U23  USBLC6-2SC6  [SOT-23-6]  56.54 30.39 270 top
U24  W25Q128JVS  [SOIC-8_5.3x5.3mm_P1.27mm]  32 110.05 0 top
U25  TPS562200  [SOT-23-6_Handsoldering]  15.05 127.15 270 top
U26  TPS562200  [SOT-23-6_Handsoldering]  29.45 126.5 270 top
U27  SMTSOM2_525STR  [SMD_BD5.6-D4.1]  33.7 47.2 0 top
U28  SMTSOM2_525STR  [SMD_BD5.6-D4.1]  33.49 83.26 0 top
U29  SMTSOM2_525STR  [SMD_BD5.6-D4.1]  69.43 12.05 0 top
U30  SMTSOM2_525STR  [SMD_BD5.6-D4.1]  33.7 12 0 top